# KiCad board oresat-live-card.kicad_pcb (continued)
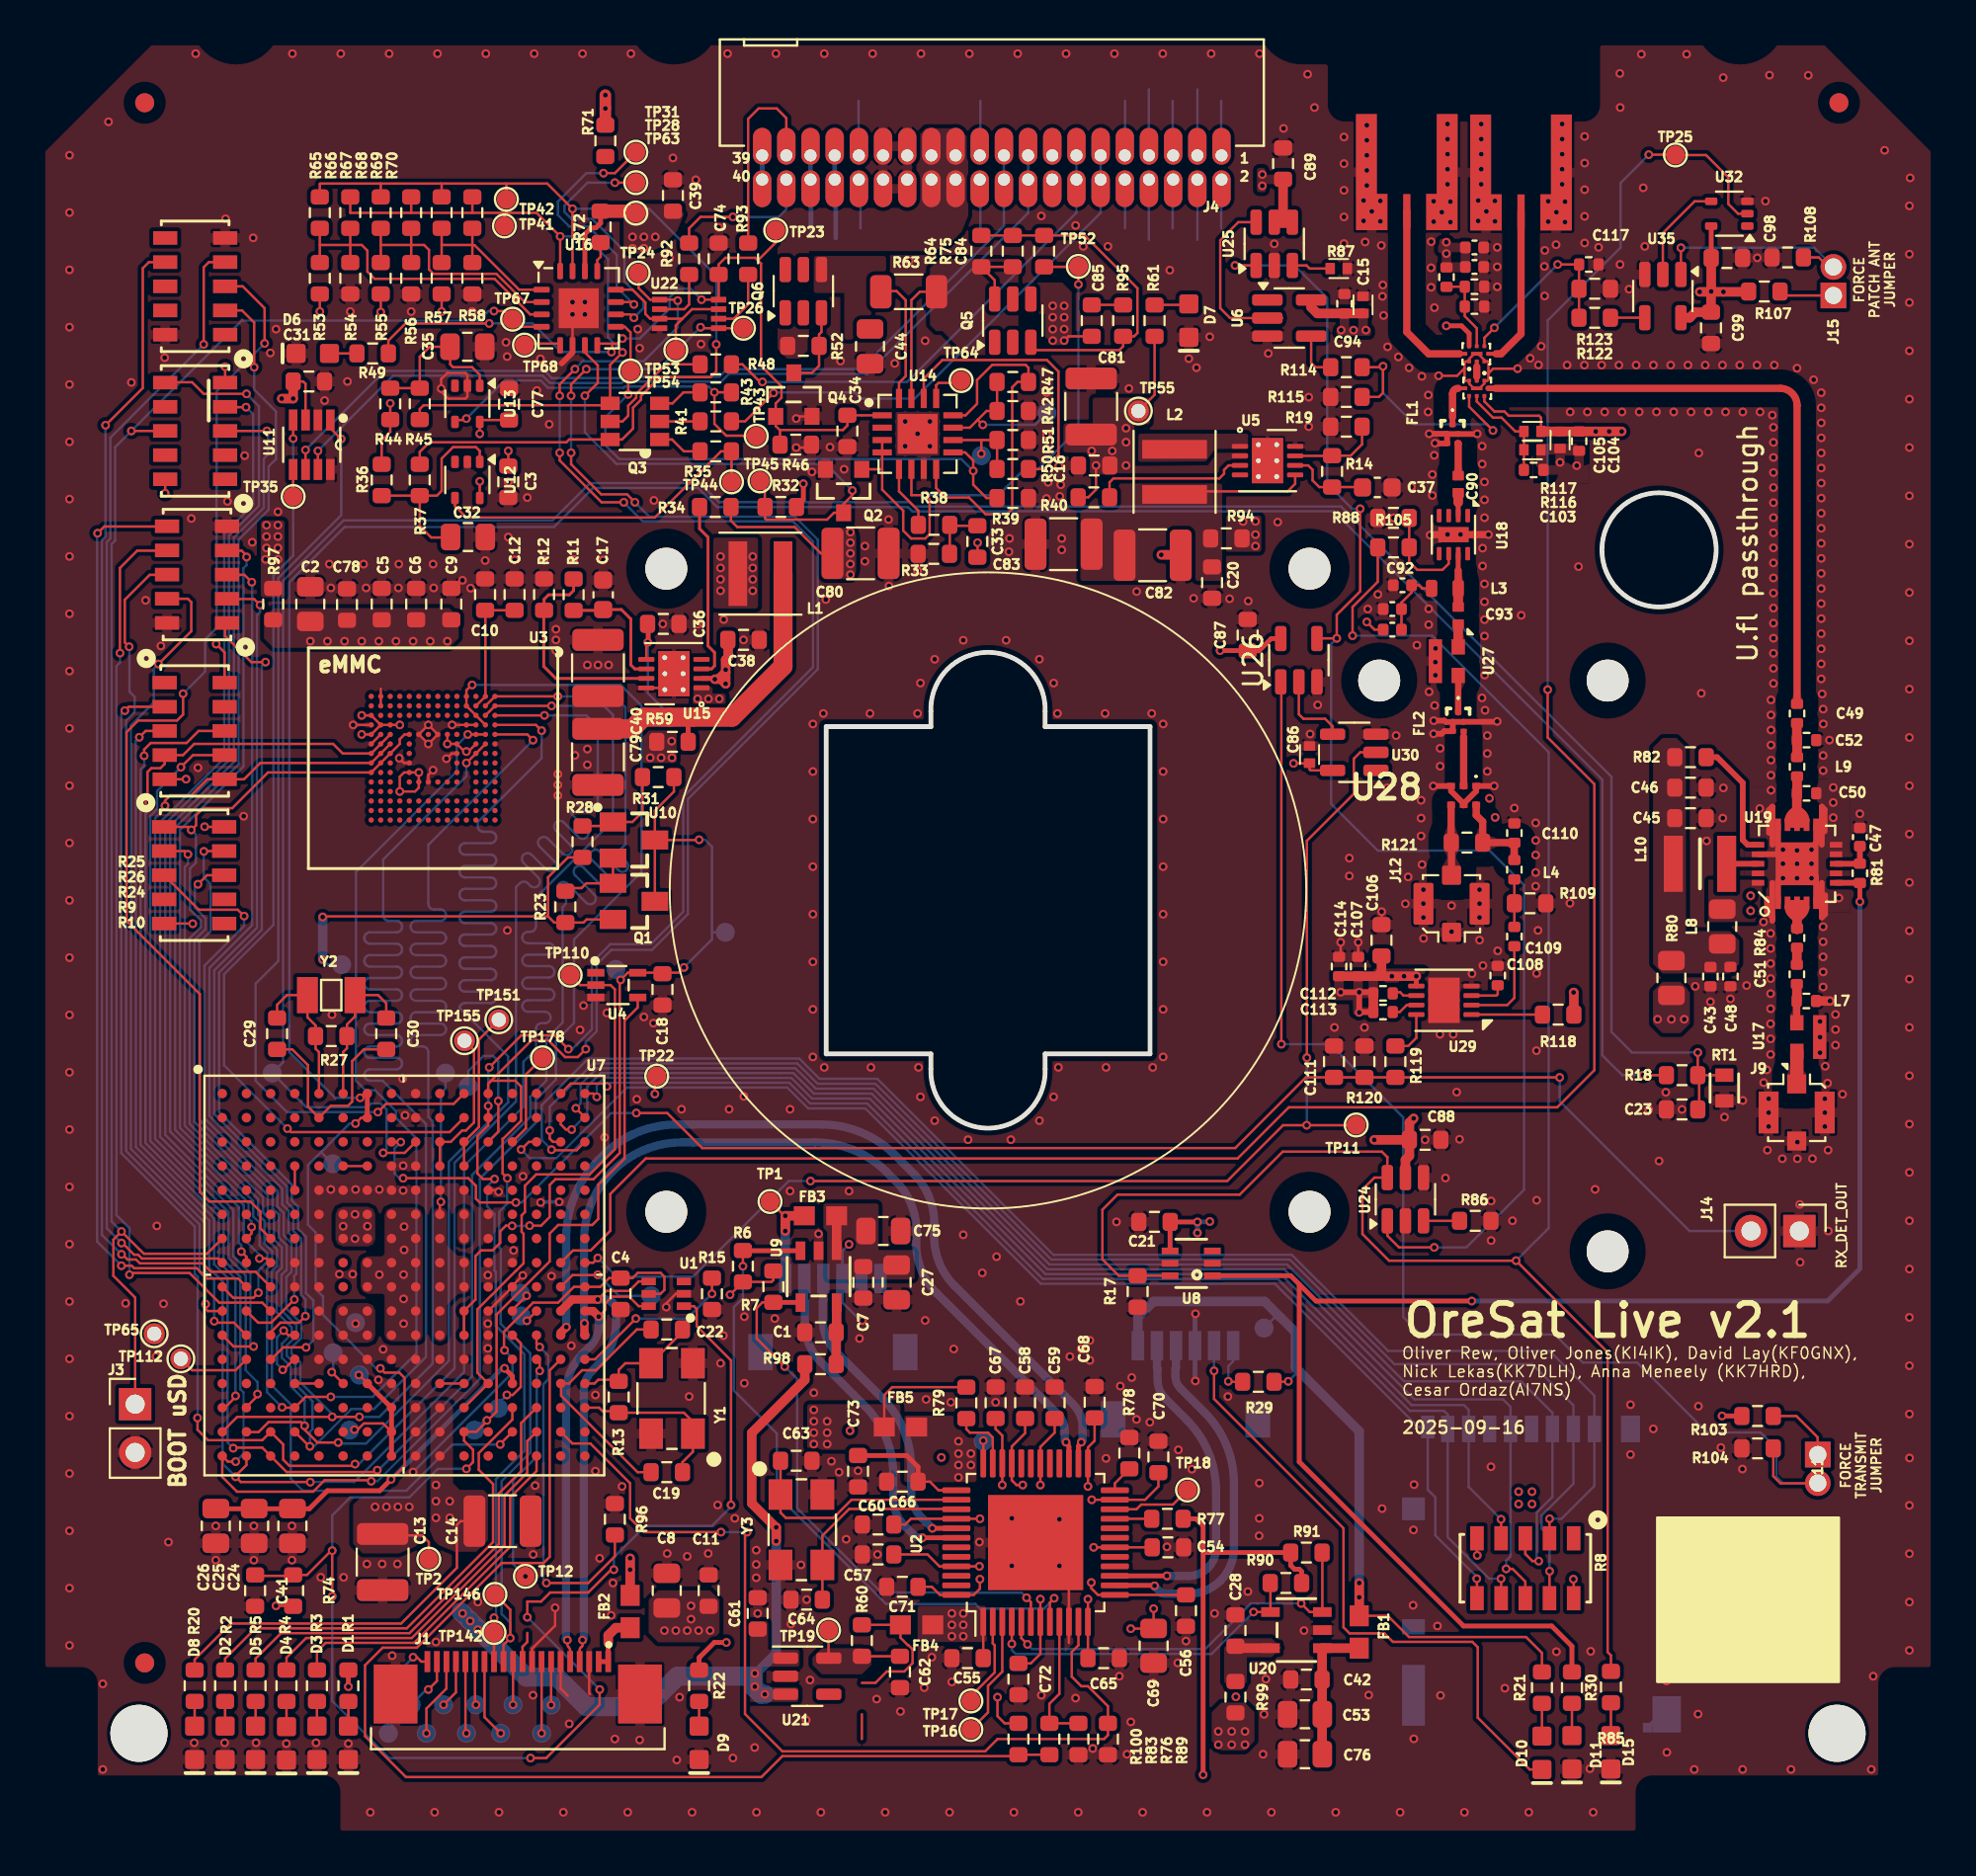
[diagram p0: board, top side]
## Placement (name value [footprint] x y rotation side) (continued)
TP144  TEST-POINT3X4  [TestPoint_Pad_D1.0mm]  24.18 22.58 180 bottom
TP146  TEST-POINT3X4  [TestPoint_Pad_D1.0mm]  24 12.8 0 top
TP151  TEST-POINT  [TestPoint-0.75mm-th]  24.2 43 0 top
TP155  TEST-POINT  [TestPoint-0.75mm-th]  22.4 41.9 0 top
TP164  TEST-POINT3X4  [TestPoint_Pad_D1.0mm]  30.35 45.65 180 bottom
TP165  TEST-POINT3X4  [TestPoint_Pad_D1.0mm]  15.95 45.9 180 bottom
TP177  TEST-POINT3X4  [TestPoint_Pad_D1.0mm]  22.6 39.5 180 bottom
TP178  TEST-POINT3X4  [TestPoint_Pad_D1.0mm]  26.5 41 0 top
U1  RCLAMP0504FB  [SC70-6]  33 28.6 90 top
U2  TUSB4020BI  [TQFP-48-1EP_7x7mm_P0.5mm_EP5x5mm]  52.4 15.52 90 top
U3  THGBMJG7C2LBAU8  [BGA-153(11.5X13)(EMMC-BA)]  20.75 56.75 270 top
U4  SN74AUC1G07  [C70(TI-DCK)]  30.4 44.82 90 top
U5  LTC3624-5  [DFN-8-1EP_3x3mm_P0.5mm_EP1.65x2.38mm_ThermalVias0.3mm]  64.59 72.39 0 top
U6  NC7SVU04P5X  [SC-74A-5_1.55x2.9mm_P0.95mm]  65.72 79.88 0 top
U7  OSD3358-512M-BSM  [U-Octavo-OSD335X-BGA-256]  19.2 29.6 270 top
U8  MIC94070YC6-TR  [SC-70-6_MCH]  60.57 30.2 180 top
U9  TPS2041BQDBVRQ1  [DBV5]  41 29.5 270 top
U10  TLVH431  [SOT23-3]  31.3 52.45 270 top
U11  TCAN330G  [SOT23-8_TI-DCN]  14.38 73.22 180 top
U12  MIC842LYC5  [SOT-353_SC-70-5]  22.55 71.37 270 top
U13  MIC842LYC5  [SOT-353_SC-70-5]  22.55 75.37 270 top
U14  MAX4211  [QFN65P400X400X80-17T210]  46.2 73.8 0 top
U15  LTC3624-5  [DFN-8-1EP_3x3mm_P0.5mm_EP1.65x2.38mm_ThermalVias0.3mm]  33.4 61.19 180 top
U16  MAX7310  [QFN-16-1EP_4x4mm_P0.65mm_EP2.1x2.1mm]  28.4 80.4 0 top
U17  PAT1220-C-3DB  [RF_Attenuator_Susumu_PAT1220]  92.99 42.09 90 top
U18  TQP3M9037  [DFN-8-1EP_2x2mm_P0.5mm_EP0.8x1.6mm]  74.35 68.5 270 top
U19  TQP9111  [QFN50P400X400X102-21N]  92.4 51.2 90 top
U20  TPS2041BQDBVRQ1  [DBV5]  66.1 10.92 180 top
U21  TLV73311  [SOT-23-5]  40.4 8.5 0 top
U22  TS5A21366  [VSSOP-8_2.3x2mm_P0.5mm]  34.2 80.1 0 top
U24  LTC6994-1  [TSOT-23-6]  71.83 33.57 90 top
U25  LTC6994-1  [TSOT-23-6]  64.94 83.78 90 top
U26  SN74LVC1G32QDBVRQ1  [SOT-23-5]  66.23 61.9 90 top
U27  PAT1220-C-3DB  [RF_Attenuator_Susumu_PAT1220]  74 61.85 270 top
U28  -  [PD2328J5050S2HF]  74.89 54.79 0 top
U29  LTC5538  [DFN-8-1EP_3x3mm_P0.5mm_EP1.65x2.38mm]  73.85 44.02 180 top
U30  SN74LV1T34  [SOT-23-5]  69.14 57.06 180 top
U32  SN74LV1T34  [SOT-353_SC-70-5]  88.84 85.37 180 top
U34  -  [QPC1022]  75.57 76.19 270 top
U35  SN74LVC1G32QDBVRQ1  [SOT-23-5]  85.35 81.04 270 top
U36  -  [QPC1022]  75.57 78 90 top
Y1  24MHz  [5X3.2-4SMD]  33.3 23.1 90 top
Y2  32.768KHZ  [CRYSTAL_3.2X1.5]  15.4 44.3 0 top
Y3  24MHz  [5X3.2-4SMD]  40.1 16.2 270 top

## Library data of the parts
C1 C3 C4 C7 C11 C18 C21 C23 C28 C31 C39 C42 C43 C45-C47 C54-C60 C65-C68 C70-C72 C74 C77 C86-C89 C98 C99 = -: Description: CAP CER 0.1UF 25V X7R 0603; MPN: CGA3E2X7R1E104K080AA; DPN: 445-5667-1-ND; MFR: TDK Corporation; DIS: DigiKey; ki_fp_filters: C_*
C2 C8 C27 C44 C53 C69 C75 C76 = -: Description: CAP CER 10UF 16V X7S 0805; MPN: CGA4J1X7S1C106M125AC; DPN: 445-16111-1-ND; MFR: TDK Corporation; DIS: DigiKey; ki_fp_filters: C_*
C5 C6 C9 C10 C12 C33 C34 C61 C62 C73 C78 C84 C85 C92 = -: Description: CAP CER 1UF 16V X7R 0603; MPN: CGA3E1X7R1C105K080AC; DPN: 445-12539-1-ND; MFR: TDK Corporation; DIS: DigiKey; ki_fp_filters: C_*
C13 C14 = -: Description: CAP CER 22UF 16V X7R 1210; MPN: CGA6P1X7R1C226M250AC; DPN: 445-5723-1-ND; MFR: TDK Corporation; DIS: DigiKey; ki_fp_filters: C_*
C15 C41 C105 C106 C111-C113 C118 = -: Description: CAP CER 0.1UF 25V X7R 0603; DPN: 445-5667-1-ND; MFR: TDK Corporation; MPN: CGA3E2X7R1E104K080AA; DIS: DigiKey; ki_fp_filters: C_*
C16 C20 C36 C38 = -: Description: CAP CER 0.1UF 25V X7R 0603; MFR: TDK Corporation; MPN: CGA3E2X7R1E104K080AA; DPN: 445-5667-1-ND; DIS: DigiKey; ki_fp_filters: C_*
C17 C37 = -: Description: CAP CER 2.2UF 16V X7R 0603; DPN: 490-GRM188Z71C225ME43JCT-ND; MFR: Murata Electronics; MPN: GRM188Z71C225ME43J; DIS: DigiKey; ki_fp_filters: C_*
C19 C22 C29 C30 C63 C64 = -: Description: CAP CER 12PF 50V C0G 0603; MPN: CGA3E2C0G1H120J080AA; DPN: 445-5629-1-ND; MFR: TDK Corporation; DIS: DigiKey; ki_fp_filters: C_*
C24 C25 = -: Description: CAP CER 1000PF 100V X7R 0805; MPN: CGA4F2X7R2A102K085AE; DPN: 445-173649-1-ND; MFR: TDK Corporation; DIS: DigiKey; ki_fp_filters: C_*
C26 = -: Description: CAP CER 0.1UF 50V X7R 0805; MPN: CGA4J2X7R1H104K125AE; DPN: 445-15959-1-ND; MFR: TDK Corporation; DIS: DigiKey; ki_fp_filters: C_*
C32 C35 = -: Description: CAP CER 1UF 16V X7R 0805; MPN: CGA4J2X7R1C105K125AA; DPN: 445-5689-1-ND; MFR: TDK Corporation; DIS: DigiKey; ki_fp_filters: C_*
C40 C79-C83 = -: Description: CAP CER 22UF 16V X7R 1210; MFR: TDK Corporation; MPN: CGA6P1X7R1C226M250AC; DPN: 445-5723-1-ND; DIS: DigiKey; ki_fp_filters: C_*
C48 = -: Description: CAP CER 1000PF 50V NP0 0402; MPN: CGA2B2NP01H102J050BA; DPN: 445-12118-1-ND; MFR: TDK Corporation; DIS: DigiKey; ki_fp_filters: C_*
C49 C117 = -: Description: CAP CER 100PF 50V C0G/NP0 0402; MPN: GCM1555C1H101GA16D; DPN: 490-GCM1555C1H101GA16DCT-ND; MFR: Murata Electronics; DIS: DigiKey; ki_fp_filters: C_*
C50 = -: Description: CAP CER 3PF 50V NP0 0402; MPN: 04025U3R0BAT2A; DPN: 581-04025U3R0BAT2A; MFR: KYOCERA AVX; ki_fp_filters: C_*
C51 = -: Description: CAP 50V 1.4pF .02pFTol ThinFilm 0402; MPN: 04025J1R1PBSTR\500; DPN: 581-04025J1R4PBSTR5; MFR: KYOCERA AVX; ki_fp_filters: C_*
C52 = -: Description: CAP CER 1.6PF 50V NP0 0402; MPN: 04025U1R6BAT2A; DPN: 581-04025U1R6BAT2A; MFR: KYOCERA AVX; ki_fp_filters: C_*
C90 C91 C93 = -: Description: CAP CER 15PF 50V C0G/NP0 0402; MPN: GJM1555C1H150JB01D; MFR: Murata Electronics; DPN: 490-3117-1-ND; DIS: DigiKey; ki_fp_filters: C_*
C94 C103 C104 C107 C114-C116 = -: Description: CAP CER 100PF 50V C0G/NP0 0402; DPN: 490-GCM1555C1H101GA16DCT-ND; MFR: Murata Electronics; MPN: GCM1555C1H101GA16D; DIS: DigiKey; ki_fp_filters: C_*
C108 C109 = -: Description: CAP CER 1000PF 50V NP0 0402; DPN: 445-12118-1-ND; MFR: TDK Corporation; MPN: CGA2B2NP01H102J050BA; DIS: DigiKey; ki_fp_filters: C_*
C110 = -: Description: CAP CER 1PF 50V C0G/NP0 0402; DPN: 490-17745-1-ND; MFR: Murata Electronics; MPN: GCM1555C1H1R0CA16J; DIS: DigiKey; ki_fp_filters: C_*
D1 D6-D11 D15 = -: Description: Green 525nm LED 3.2V 0603; MPN: 150060GS75020; DPN: 732-150060GS75020CT-ND; MFR: Würth Elektronik; Sim.Pins: 1=K 2=A; DIS: DigiKey; ki_fp_filters: LED* LED_SMD:* LED_THT:*
D2-D5 = -: Description: Blue 470nm LED 3.2V 0603; MPN: 150060BS75020; DPN: 732-150060BS75020CT-ND; MFR: Würth Elektronik; Sim.Pins: 1=K 2=A; DIS: DigiKey; ki_fp_filters: LED* LED_SMD:* LED_THT:*
FB1-FB3 = -: Description: FERRITE BEAD 30 OHM 0603 1 LN; MPN: BLM18KG300JH1D; DPN: 490-13263-1-ND; MFR: Murata Electronics; DIS: DigiKey; ki_fp_filters: Inductor_* L_* *Ferrite*
FB4 FB5 = -: Description: FERRITE BEAD 220 OHM 0603 1LN; DPN: 445-MMZ1608Y221BTD25CT-ND; MFR: TDK Corporation; DIS: DigiKey; ki_fp_filters: Inductor_* L_* *Ferrite*
FID1-FID6 = -: Description: Fiducial Marker; ki_fp_filters: Fiducial*
FL1 FL2 = -: Datasheet: https://www.qorvo.com/products/d/da006450; Description: 2.4GHZ WI-FI LTE COEXBOOST BAW F; MFR: Qorvo; DPN: 2312-QPQ1907SRCT-ND; DIS: DigiKey
J1 = -: Datasheet: https://www.te.com/usa-en/product-2-1734592-0.datasheet.pdf; Description: CONN FPC BOTTOM 20POS 0.50MM R/A; MPN: 2-1734592-0; DPN: A100287CT-ND; MFR: TE Connectivity AMP Connectors; DIS: DigiKey
J2 J10 = -: Description: CONN HEADER SMD R/A 6POS 1MM; MPN: SM06B-SRSS-TB(LF)(SN); DPN: 306-M06BSRSSTBLFSNPP; MFR: JST Commercial
J3 J14 = -: Description: Generic connector, single row, 01x02, script generated (kicad-library-utils/schlib/autogen/connector/); ki_fp_filters: Connector*:*_1x??_*
J4 = -: Datasheet: https://suddendocs.samtec.com/catalog_english/tfm.pdf; Description: CONN HEADER R/A 40POS 1.27MM; DPN: SAM10145-ND; MFR: Samtec Inc.; DIS: DigiKey
J6 J8 = -: Datasheet: https://tools.molex.com/pdm_docs/sd/733000020_sd.pdf; Description: CONN SMPM PLUG STR 50OHM EDGEMNT; MPN: 0733000020; DPN: WM10772-ND; MFR: MOLEX; DIS: DigiKey
J7 = -: Description: CONN MICRO SD CARD R/A SMD; DPN: HR1942CT-ND; MFR: Hirose Electric Co Ltd; DIS: DigiKey
J9 J12 = -: Description: CONN U.FL RCPT STR 50 OHM SMD; DPN: H11891CT-ND; MFR: Hirose Electric Co Ltd; MPN: U.FL-R-SMT-1(10); DIS: DigiKey; ki_fp_filters: *BNC* *SMA* *SMB* *SMC* *Cinch* *LEMO* *UMRF* *MCX* *U.FL*
J11 J15 = -: ki_fp_filters: Jumper* TestPoint*2Pads* TestPoint*Bridge*
L1 L2 = -: Description: FIXED IND 3.3UH 6.6A 34MOHM SMD; MFR: Coilcraft; MPN: XGL4020-332MEC; DPN: 2457-XGL4020-332MEC-ND; DIS: DigiKey; ki_fp_filters: Choke_* *Coil* Inductor_* L_*
L3 = -: Datasheet: https://www.coilcraft.com/getmedia/f3d98f97-cbe2-41fa-b3a9-518f674e881e/0603dc.pdf; Description: FIXED IND 18NH 2A 78 MOHM SMD; MPN: 0603DC-18NXJRW; MFR: Coilcraft; DPN: 994-0603DC-18NXJRW; ki_fp_filters: Choke_* *Coil* Inductor_* L_*
L4 = -: Description: FIXED IND 1.5NH 1A 30 MOHM SMD; DPN: 2035-1382-1-ND; MFR: Delta Electronics/Components; MPN: 0402HM-1N5EKTS; DIS: DigiKey; ki_fp_filters: Choke_* *Coil* Inductor_* L_*
L7 = -: Description: 1.7nH RF Inductor, ceramic core, 5% tol; MPN: 0402DC-1N7XJRU; DPN: 994-0402DC-1N7XJRW; MFR: Coilcraft; ki_fp_filters: Choke_* *Coil* Inductor_* L_*
L8 = -: Description: Fixed Inductors 0805CS 6.8 nH 5 % 0.6 A; MPN: 0805CS-060XJLC; DPN: 994-0805CS-060XJLC; MFR: Coilcraft; ki_fp_filters: Choke_* *Coil* Inductor_* L_*
L9 = -: Description: FIXED IND 1NH 500MA 100 MOHM SMD; MPN: MLK1005S1N0ST000; DPN: 445-MLK1005S1N0ST000CT-ND; MFR: TDK Corporation; DIS: DigiKey; ki_fp_filters: Choke_* *Coil* Inductor_* L_*
L10 = -: Description: Fixed Inductors 1008 10nH Unshld 5%; MPN: 1008HQ-10NXJLC; DPN: 1008HQ-10NXJLC; MFR: Coilcraft; DIS: DigiKey; ki_fp_filters: Choke_* *Coil* Inductor_* L_*
PCB1 = -: Datasheet: N/A; Description: N/A; DIS: N/A; DPN: N/A; MFR: N/A; MPN: N/A
PCBA1 = -: Datasheet: N/A; Description: AR9271 USB to WiFi daughter board; DIS: N/A; DPN: N/A; MFR: Unknown; MPN: Unknown
Q1 = -: Description: TRANS PNP 60V 0.6A SOT23-3; MPN: PMBT2907A,215; DPN: 1727-2958-1-ND; MFR: Nexperia USA Inc.; DIS: DigiKey
Q2 Q4 = -: Description: MOSFET N-CH 30V 4.1A TO236AB; DPN: 1727-2307-1-ND; MFR: Nexperia USA Inc.; DIS: DigiKey
Q3 = -: Description: MOSFET 2P-CH 20V 2A SOT-26; DPN: DMP2240UDMDICT-ND; MFR: Diodes Incorporated; DIS: DigiKey
Q5 Q6 = -: Datasheet: https://www.diodes.com/assets/Datasheets/DMP3050LVT.pdf; Description: P-Channel Power MOSFET, TSOT-23-6; DPN: DMP3050LVT-7DICT-ND; MFR: Diodes Incorporated; DIS: DigiKey; ki_fp_filters: Diodes*PowerDI3333*
R1-R5 R20 R22 R29 R30 R49 R51 R85 = -: Description: RES SMD 4.7K OHM 1% 1/10W 0603; MPN: ERJ-3EKF4701V; DPN: ERJ-3EKF4701V; MFR: Panasonic; DIS: DigiKey
R6 R7 R15 R17 R18 R21 R28 R32 R34 R38-R40 R46 R52 R61 R64 R72 R75-R77 R79 R89-R91 = -: Description: RES SMD 10K OHM 1% 1/10W 0603; MPN: ERJ-3EKF1002V; DPN: P10.0KHCT-ND; MFR: Panasonic; DIS: DigiKey
R8-R10 = -: Description: RES ARRAY 8 RES 10K OHM 2512; MPN: EXB-A10P103J; DPN: U7103CT-ND; MFR: Panasonic; DIS: DigiKey
R11 R12 R14 R19 = -: Description: RES SMD 100K OHM 1% 1/10W 0603; DPN: P100KHCT-ND; MFR: Panasonic; MPN: ERJ-3EKF1003V; DIS: DigiKey; ki_fp_filters: R_*
R13 R36 R44 = -: Description: RES SMD 1M OHM 1% 1/10W 0603; MPN: ERJ-3EKF1004V; DPN: P1.00MHCT-ND; MFR: Panasonic; DIS: DigiKey
R23 = -: Description: RES SMD 499 OHM 1% 1/10W 0603; MPN: ERJ-3EKF4990V; DPN: P499HCT-ND; MFR: Panasonic; DIS: DigiKey
R24-R26 = -: Description: RES ARRAY 8 RES 100K OHM 2512; MPN: EXB-A10P104J; DPN: U7104CT-ND; MFR: Panasonic; DIS: DigiKey
R31 = -: Description: RES SMD 40.2K OHM 1% 1/10W 0603; MPN: ERJ-3EKF4022V; DPN: P40.2KHCT-ND; MFR: Panasonic; DIS: DigiKey
R33 = -: Description: RES SMD 100K OHM 1% 1/10W 0603; MPN: ERJ-3EKF1003V; DPN: P100KHCT-ND; MFR: Panasonic; DIS: DigiKey
R35 R43 = -: Description: RES SMD 665K OHM 1% 1/10W 0603; MPN: ERJ-3EKF6653V; DPN: P665KHCT-ND; MFR: Panasonic; DIS: DigiKey
R37 R45 = -: Description: RES SMD 330K OHM 1% 1/10W 0603; MPN: ERJ-3EKF3303V; DPN: P330KHCT-ND; MFR: Panasonic; DIS: DigiKey
R41 R48 R71 R92 R93 = -: Description: RES SMD 100 OHM 1% 1/10W 0603; MPN: ERJ-3EKF1000V; DPN: P100HCT-ND; MFR: Panasonic; DIS: DigiKey
R42 = -: Description: RES SMD 10K OHM 1% 1/10W 0603; DPN: P10.0KHCT-ND; MFR: Panasonic; MPN: ERJ-3EKF1002V; DIS: DigiKey
R47 R50 R59 R60 R94 R96-R100 = -: Description: RES SMD 0 OHM JUMPER 1/10W 0603; MPN: ERJ-3GEY0R00V; DPN: P0.0GCT-ND; MFR: Panasonic; DIS: DigiKey
R53 R56 R58 R65-R70 = -: Description: RES SMD 10K OHM 1% 1/10W 0603; DPN: P10.0KHCT-ND; MFR: Panasonic; MPN: ERJ-3EKF1002V
R54 R55 R57 R95 = -: Description: RES SMD 1K OHM 1% 1/10W 0603; MPN: ERJ-3EKF1001V; DPN: P1.00KHCT-ND; MFR: Panasonic; DIS: DigiKey
R63 = -: Description: RES 0.1 OHM 1% 1/2W 1206; MPN: RCWE1206R100FKEA; DPN: 541-2740-1-ND; MFR: Vishay Dale; DIS: DigiKey
R74 R104 R108 R114 R117 R122 R125 = -: Description: RES SMD 10K OHM 1% 1/10W 0603; DPN: P10.0KHCT-ND; MFR: Panasonic; MPN: ERJ-3EKF1002V; DIS: DigiKey; ki_fp_filters: R_*
R78 = -: Description: RES 9.53K OHM 1% 1/10W 0603; MPN: ERJ-3EKF9531V; DPN: P9.53KHCT-ND; MFR: Panasonic; DIS: DigiKey
R80 = -: Description: RES SMD 0 OHM JUMPER 1/8W 0805; MPN: ERJ-6GEY0R00V; DPN: P0.0ACT-ND; MFR: Panasonic; DIS: DigiKey
R81 = -: Description: RES SMD 110 OHM 1% 1/10W 0402; MPN: ERJ-2RKF1100X; DPN: P110LCT-ND; MFR: Panasonic; DIS: DigiKey
R82 = -: Description: RES SMD 220 OHM 1% 1/10W 0603; MPN: ERJ-3EKF2200V; DPN: P220HCT-ND; MFR: Panasonic; DIS: DigiKey
R83 = -: Description: RES SMD 90.9K OHM 1% 1/10W 0603; MPN: ERJ-3EKF9092V; DPN: P90.9KHCT-ND; MFR: Panasonic; DIS: DigiKey
R84 = -: Description: RES SMD 3.3 OHM 1% 1/16W 0402; MPN: CRCW04023R30FKED; DPN: 541-3.30LLCT-ND; MFR: Vishay Dale; DIS: DigiKey
R86 = -: Description: RES 499K OHM 1% 1/10W 0603; MPN: ERJ-U03F4993V; DPN: 10-ERJ-U03F4993VCT-ND; MFR: Panasonic; DIS: DigiKey; ki_fp_filters: R_*
R87 = -: Description: RES 499K OHM 1% 1/10W 0603; DPN: 10-ERJ-U03F4993VCT-ND; MFR: Panasonic; MPN: ERJ-U03F4993V; DIS: DigiKey; ki_fp_filters: R_*
R88 = -: Description: RES SMD 10K OHM 1% 1/10W 0603; MPN: ERJ-3EKF1002V; DPN: P10.0KHCT-ND; MFR: Panasonic; DIS: DigiKey; ki_fp_filters: R_*
R103 R107 = -: Description: RES SMD 1K OHM 1% 1/10W 0603; DPN: P1.00KHCT-ND; MFR: Panasonic; MPN: ERJ-3EKF1001V; DIS: DigiKey; ki_fp_filters: R_*
R105 = -: Description: RES 33K OHM 1% 1/10W 0603; DPN: 10-ERJ-U03F3302VCT-ND; MFR: Panasonic; MPN: ERJ-U03F3302V; DIS: DigiKey; ki_fp_filters: R_*
R106 = -: Description: RES SMD 0 OHM JUMPER 1/10W 0603; DPN: P0.0GCT-ND; MFR: Panasonic; MPN: ERJ-3GEY0R00V; DIS: DigiKey; ki_fp_filters: R_*
R109 R121 = -: Description: RES SMD 100 OHM 1% 1/10W 0603; DPN: P100HCT-ND; MFR: Panasonic; MPN: ERJ-3EKF1000V; DIS: DigiKey; ki_fp_filters: R_*
R115 R116 R123 R124 = -: Description: RES SMD 5.62K OHM 1% 1/10W 0603; DPN: P5.62KHCT-ND; MFR: Panasonic; MPN: ERJ-3EKF5621V; DIS: DigiKey; ki_fp_filters: R_*
R118-R120 = -: Description: RES SMD 4.99K OHM 1% 1/10W 0603; DPN: P4.99KHCT-ND; MFR: Panasonic; MPN: ERJ-3EKF4991V; DIS: DigiKey; ki_fp_filters: R_*
RT1 = -: Description: THERMISTOR NTC 10KOHM 3380K 0603; MPN: NTCG163JX103DT1S; DPN: 445-174518-1-ND; MFR: TDK Corporation; DIS: DigiKey
U1 = -: Description: TVS DIODE 5V 17.5V SC70-6; MPN: RCLAMP0504FBTCT; DPN: RCLAMP0504FBTCTCT-ND; MFR: Semtech Corporation; DIS: DigiKey
U2 = -: Datasheet: https://www.ti.com/lit/ds/symlink/tusb4020bi.pdf?ts=1651536480134&ref_url=https%253A%252F%252Fwww.ti.com%252Fproduct%252FTUSB4020BI%253Futm_source%253Dgoogle%2526utm_medium%253Dcpc%2526utm_campaign%253Dasc-null-null-GPN_EN-cpc-pf-google-wwe%2526utm_content%253DTUSB4020BI%2526ds_k%253DTUSB4020BI%2526DCM%253Dyes%2526gclid%253DCjwKCAjwgr6TBhAGEiwA3aVuIRrJ5Jxk1ulO0jlDlG7RAaJmL9xFy9DEi5z9qbcQBDs3N7BwRoJLbRoCdxsQAvD_BwE%2526gclsrc%253Daw.ds; Description: IC USB 2.0 2PORT HUB IND 48HTQFP; DPN: 296-43165-1-ND; MFR: Texas Instruments; DIS: DigiKey
U3 = -: Datasheet: https://www.mouser.com/datasheet/3/3711/1/KIOXIA_e-MMC_Product_Brief.pdf; Description: IC FLASH 16GB EMMC 153FBGA; DPN: 757-THGBMJG7C2LBAU8; MFR: Kioxia
U4 = -: Description: IC BUFF NON-INVERT 2.7V SC-70-5; MPN: SN74AUC1G07DCKR; DPN: 296-12464-1-ND; MFR: Texas Instruments; DIS: DigiKey
U5 U15 = -: Datasheet: https://www.analog.com/media/en/technical-documentation/data-sheets/36242fd.pdf; Description: IC REG BUCK 5V 2A 8DFN; MPN: LTC3624IDD-5#PBF; DPN: LTC3624IDD-5#PBF-ND; MFR: Analog Devices; DIS: DigiKey
U6 = -: Datasheet: https://www.onsemi.com/pdf/datasheet/nc7s04-d.pdf; Description: High-Speed Logic Inverter, SC−74A; ki_fp_filters: SOT*353*SC*70*
U7 = -: Description: OSD335x Embedded Module 1GHz 512MB; DPN: 1676-1002-ND; MFR: Octavo Systems; DIS: DigiKey
U8 = -: Datasheet: https://ww1.microchip.com/downloads/en/DeviceDoc/mic9409x.pdf; Description: IC PWR SWITCH P-CHAN 1:1 SC70-6; DPN: 576-3006-1-ND; MFR: Microchip Technology; DIS: DigiKey
U9 U20 = -: Datasheet: https://www.ti.com/lit/ds/symlink/tps2041b-q1.pdf?HQS=dis-dk-null-digikeymode-dsf-pf-null-wwe&ts=1651525711603&ref_url=https%253A%252F%252Fwww.ti.com%252Fgeneral%252Fdocs%252Fsuppproductinfo.tsp%253FdistId%253D10%2526gotoUrl%253Dhttps%253A%252F%252Fwww.ti.com%252Flit%252Fgpn%252Ftps2041b-q1; Description: Power Switch/Driver 1:1 N-Channel 500mA; DPN: 296-25159-1-ND; MFR: Texas Instruments; DIS: DigiKey
U10 = -: Description: IC VREF SHUNT ADJ 0.5% SOT23-3; MPN: TLVH431BQDBZRQ1; DPN: 296-36778-1-ND; MFR: Texas Instruments; DIS: DigiKey
U11 = -: Datasheet: https://www.ti.com/lit/ds/symlink/tcan330.pdf?ts=1651525305550&ref_url=https%253A%252F%252Fwww.ti.com%252Fproduct%252FTCAN330; Description: IC TRANSCEIVER 1/1 SOT238; MPN: TCAN330GDCNR; DPN: 296-TCAN330GDCNRCT-ND; MFR: Texas Instruments; DIS: DigiKey
U12 U13 = -: Datasheet: https://ww1.microchip.com/downloads/aemDocuments/documents/OTH/ProductDocuments/DataSheets/20005758A.pdf; Description: IC Single Comparator W/REF, SC-70-5
U14 = -: Datasheet: https://www.mouser.com/datasheet/2/256/maxim%20integrated%20products_max4210-max4211-1179253.pdf; Description: IC CURRENT MONITOR 1.5% 16TQFN; MPN: MAX4211FETE+; DPN: MAX4211FETE+-ND; MFR: Maxim Integrated; DIS: DigiKey
U16 = -: Datasheet: https://datasheets.maximintegrated.com/en/ds/MAX7310.pdf; Description: I2C 8-Bit GPIO Expander, 16-TQFN; MPN: MAX7310ATE+; DPN: MAX7310ATE+-ND; MFR: Maxim Integrated; DIS: DigiKey
U17 U27 = -: Datasheet: https://www.susumu.co.jp/common/pdf/n_catalog_partition16_en.pdf; Description: RF ATTENUATOR 3DB 50OHM 0805; DPN: PAT123CT-ND; MFR: Susumu; MPN: PAT1220-C-3DB-T5; DIS: DigiKey; ki_fp_filters: RF*Attenuator*Susumu*PAT1220*
U18 = -: Datasheet: https://www.qorvo.com/products/d/da005549; Description: 700-6000 MHZ LNA; MFR: Qorvo; DPN: 2312-TQP3M9037CT-ND; DIS: DigiKey
U19 = -: Datasheet: https://www.mouser.com/datasheet/2/412/QP9111-1500700.pdf; Description: 1800-2700 MHZ, 2 W HIGH GAIN AMP; DPN: 2312-TQP9111CT-ND; MFR: Qorvo; DIS: DigiKey
U21 = -: Description: IC REG LINEAR 1.1V 300MA SOT23-5; MPN: TLV73311PDBVR; DPN: 296-40663-1-ND; MFR: Texas Instruments; DIS: DigiKey
U22 = -: Description: IC SWITCH SPST-NOX2 1OHM 8VSSOP; MPN: TS5A21366DCUR; DPN: 296-24304-1-ND; MFR: Texas Instruments; DIS: DigiKey
U24 U25 = -: Datasheet: https://www.analog.com/media/en/technical-documentation/data-sheets/699412fb.pdf; Description: TimerBlox Delay Block; DPN: 584-C6994IS6-1TRPBF; MFR: Analog Devices; MPN: LTC6994IS6-1#TRPBF; ki_fp_filters: TSOT*23*
U26 = -: Datasheet: https://www.ti.com/lit/ds/symlink/sn74lvc1g32-q1.pdf?ts=1758047055703&ref_url=https%253A%252F%252Fwww.ti.com%252Fproduct-category%252Flogic-voltage-translation%252Flogic-gates%252For-gates%252Fproducts.html; ki_fp_filters: SOT* SG-*
U28 = -: Datasheet: https://cdn.ttm.com/repository/products/wireless-xinger/power-dividers/PD2328J5050S2HF/PD2328J5050S2HF.pdf; Description: Power Divider 50ohm 2300 - 2800 MHz; MFR: ANAREN; DPN: 1173-1098-1-ND; DIS: DigiKey
U29 = -: Datasheet: https://www.analog.com/media/en/technical-documentation/data-sheets/5538f.pdf; Description: IC RF DETECT 40MHZ-3.8GHZ 8DFN; DPN: LT5538IDD#TRPBFCT-ND; MFR: Analog Devices; MPN: LT5538IDD#TRPBF; DIS: DigiKey
U30 = -: Datasheet: https://www.ti.com/lit/ds/symlink/sn74lv1t34.pdf; Description: IC BUFF NON-INVERT 5.5V SC-70-5; DPN: 296-SN74LV1T34QDCKRQ1CT-ND; MFR: Texas Instruments; MPN: SN74LV1T34QDCKRQ1; DIS: DigiKey; ki_fp_filters: TO?5*
U32 = -: Datasheet: https://www.ti.com/lit/ds/symlink/sn74lv1t34.pdf; Description: IC BUFF NON-INVERT 5.5V SC-70-5; DPN: 296-SN74LV1T34QDCKRQ1CT-ND; MFR: Texas Instruments; MPN: SN74LV1T34QDCKRQ1; DIS: DigiKey; ki_fp_filters: SOT?353*
U34 U36 = -: Datasheet: https://www.qorvo.com/products/d/da005900; Description: 5-6000 MHZ LOW DISTORTION SPDT S; DPN: 2312-QPC1022TR7CT-ND; MFR: Qorvo; MPN: QPC1022TR7; DIS: DigiKey
U35 = -: Datasheet: https://www.ti.com/lit/ds/symlink/sn74lvc1g32-q1.pdf?HQS=dis-dk-null-digikeymode-dsf-pf-null-wwe&ts=1754257044481&ref_url=https%253A%252F%252Fwww.ti.com%252Fgeneral%252Fdocs%252Fsuppproductinfo.tsp%253FdistId%253D10%2526gotoUrl%253Dhttps%253A%252F%252Fwww.ti.com%252Flit%252Fgpn%252Fsn74lvc1g32-q1
Y1 Y3 = -: Description: CRYSTAL 24.0000MHZ 12PF SMD; MPN: ECS-240-20ECS-240-12-30BQ-AEN-TR -30B-TR; DPN: XC2580CT-ND; MFR: ECS Inc.; DIS: DigiKey; ki_fp_filters: Crystal*
Y2 = -: Description: CRYSTAL 32.7680KHZ 12.5PF SMD; MPN: ABS07-32.768KHZ-T; DPN: 535-9542-1-ND; MFR: Abracon LLC; DIS: DigiKey; ki_fp_filters: Crystal*

## Footprints (pads in the part's own frame, mm; a bottom-side part is the same pattern mirrored in y, then rotated)
2X1
  rect 1.35x1.35 hole 0.9: 1(-0.8,0)
  round 1.35 hole 0.9: 2(0.7,0)
5X3.2-4SMD
  rect 1.6x1.25 smd: 1(-1.85,-1.1) 2(1.85,-1.1) 3(1.85,1.1) 4(-1.85,1.1)
0402-C
  rrect 0.5x0.6 smd: 1(-0.45,0) 2(0.45,0)
0402-C-NOSILK
  rrect 0.5x0.6 smd: 1(-0.45,0) 2(0.45,0)
0603
  rect 1.1x1 smd: 1(-0.85,0) 2(0.85,0)
0603-C-NOSILK
  rrect 0.6x0.9 smd: 1(-0.7,0) 2(0.7,0)
0603-THERMISTOR-B
  rect 0.7x0.95 smd: 1(-0.675,0) 2(0.675,0)
ARRAY_EXBA-M
  rect 1.27x0.711 smd: 1(-1.575,2.54) 2(-1.575,1.27) 3(-1.575,0) 4(-1.575,-1.27) 5(-1.575,-2.54) 6(1.575,-2.54) 7(1.575,-1.27) 8(1.575,0) 9(1.575,1.27) 10(1.575,2.54)
BGA-153(11.5X13)(EMMC-BA)
  rrect 0.28x0.28 smd: A1(-3.25,3.25) A2(-2.75,3.25) A3(-2.25,3.25) A4(-1.75,3.25) A5(-1.25,3.25) A6(-0.75,3.25) A7(-0.25,3.25) A8(0.25,3.25) A9(0.75,3.25) A10(1.25,3.25) A11(1.75,3.25) A12(2.25,3.25) A13(2.75,3.25) A14(3.25,3.25) B1(-3.25,2.75) B2(-2.75,2.75) B3(-2.25,2.75) B4(-1.75,2.75) B5(-1.25,2.75) B6(-0.75,2.75) B7(-0.25,2.75) B8(0.25,2.75) B9(0.75,2.75) B10(1.25,2.75) B11(1.75,2.75) B12(2.25,2.75) B13(2.75,2.75) B14(3.25,2.75) C1(-3.25,2.25) C2(-2.75,2.25) C3(-2.25,2.25) C4(-1.75,2.25) C5(-1.25,2.25) C6(-0.75,2.25) C7(-0.25,2.25) C8(0.25,2.25) C9(0.75,2.25) C10(1.25,2.25) C11(1.75,2.25) C12(2.25,2.25) C13(2.75,2.25) C14(3.25,2.25) D1(-3.25,1.75) D2(-2.75,1.75) D3(-2.25,1.75) D4(-1.75,1.75) D12(2.25,1.75) D13(2.75,1.75) D14(3.25,1.75) E1(-3.25,1.25) E2(-2.75,1.25) E3(-2.25,1.25) E5(-1.25,1.25) E6(-0.75,1.25) E7(-0.25,1.25) E8(0.25,1.25) E9(0.75,1.25) E10(1.25,1.25) E12(2.25,1.25) E13(2.75,1.25) E14(3.25,1.25) F1(-3.25,0.75) F2(-2.75,0.75) F3(-2.25,0.75) F5(-1.25,0.75) F10(1.25,0.75) F12(2.25,0.75) F13(2.75,0.75) F14(3.25,0.75) G1(-3.25,0.25) G2(-2.75,0.25) G3(-2.25,0.25) G5(-1.25,0.25) G10(1.25,0.25) G12(2.25,0.25) G13(2.75,0.25) G14(3.25,0.25) H1(-3.25,-0.25) H2(-2.75,-0.25) H3(-2.25,-0.25) H5(-1.25,-0.25) H10(1.25,-0.25) H12(2.25,-0.25) H13(2.75,-0.25) H14(3.25,-0.25) J1(-3.25,-0.75) J2(-2.75,-0.75) J3(-2.25,-0.75) J5(-1.25,-0.75) J10(1.25,-0.75) J12(2.25,-0.75) J13(2.75,-0.75) J14(3.25,-0.75) K1(-3.25,-1.25) K2(-2.75,-1.25) K3(-2.25,-1.25) K5(-1.25,-1.25) K6(-0.75,-1.25) K7(-0.25,-1.25) K8(0.25,-1.25) K9(0.75,-1.25) K10(1.25,-1.25) K12(2.25,-1.25) K13(2.75,-1.25) K14(3.25,-1.25) L1(-3.25,-1.75) L2(-2.75,-1.75) L3(-2.25,-1.75) L12(2.25,-1.75) L13(2.75,-1.75) L14(3.25,-1.75) M1(-3.25,-2.25) M2(-2.75,-2.25) M3(-2.25,-2.25) M4(-1.75,-2.25) M5(-1.25,-2.25) M6(-0.75,-2.25) M7(-0.25,-2.25) M8(0.25,-2.25) M9(0.75,-2.25) M10(1.25,-2.25) M11(1.75,-2.25) M12(2.25,-2.25) M13(2.75,-2.25) M14(3.25,-2.25) N1(-3.25,-2.75) N2(-2.75,-2.75) N3(-2.25,-2.75) N4(-1.75,-2.75) N5(-1.25,-2.75) N6(-0.75,-2.75) N7(-0.25,-2.75) N8(0.25,-2.75) N9(0.75,-2.75) N10(1.25,-2.75) N11(1.75,-2.75) N12(2.25,-2.75) N13(2.75,-2.75) N14(3.25,-2.75) P1(-3.25,-3.25) P2(-2.75,-3.25) P3(-2.25,-3.25) P4(-1.75,-3.25) P5(-1.25,-3.25) P6(-0.75,-3.25) P7(-0.25,-3.25) P8(0.25,-3.25) P9(0.75,-3.25) P10(1.25,-3.25) P11(1.75,-3.25) P12(2.25,-3.25) P13(2.75,-3.25) P14(3.25,-3.25)
C70(TI-DCK)
  rect 0.4x0.9 smd: 1(0.65,1.1) 2(0,1.1) 3(-0.65,1.1) 4(-0.65,-1.1) 5(0.65,-1.1)
C_0402_1005Metric
  rrect 0.56x0.62 smd: 1(-0.48,0) 2(0.48,0)
C_0603_1608Metric
  rrect 0.9x0.95 smd: 1(-0.775,0) 2(0.775,0)
C_1210_3225Metric
  rrect 1.15x2.7 smd: 1(-1.475,0) 2(1.475,0)
CONN_SM06B-SRSS-TB_JST
  rect 0.66x1.549 smd: 1(-2.5,2.507) 2(-1.5,2.507) 3(-0.5,2.507) 4(0.5,2.507) 5(1.5,2.507) 6(2.5,2.507)
  rect 1.295x1.905 smd: 7(-3.8,-1.368) 8(3.8,-1.368)
CRYSTAL_3.2X1.5
  rect 1.1x1.9 smd: 1(-1.25,0) 2(1.25,0)
DBV5
  rect 0.972x0.508 smd: 1(-1.362,0.95) 2(-1.362,0) 3(-1.362,-0.95) 4(1.362,-0.95) 5(1.362,0.95)
DFN-8-1EP_2x2mm_P0.5mm_EP0.8x1.6mm
  rrect 0.64x1.29 smd: (0,0)
  rrect 0.7x0.25 smd: 1(-1,0.75) 2(-1,0.25) 3(-1,-0.25) 4(-1,-0.75) 5(1,-0.75) 6(1,-0.25) 7(1,0.25) 8(1,0.75)
  rect 0.8x1.6 smd: 9(0,0)
DFN-8-1EP_3x3mm_P0.5mm_EP1.65x2.38mm
  rrect 1.33x1.92 smd: (0,0)
  rrect 0.85x0.25 smd: 1(-1.45,0.75) 2(-1.45,0.25) 3(-1.45,-0.25) 4(-1.45,-0.75) 5(1.45,-0.75) 6(1.45,-0.25) 7(1.45,0.25) 8(1.45,0.75)
  rect 1.65x2.38 smd: 9(0,0)
DFN-8-1EP_3x3mm_P0.5mm_EP1.65x2.38mm_ThermalVias0.3mm
  rrect 0.67x0.96 smd: (-0.41,0.595) (-0.41,-0.595) (0.41,0.595) (0.41,-0.595)
  rrect 0.85x0.25 smd: 1(-1.45,0.75) 2(-1.45,0.25) 3(-1.45,-0.25) 4(-1.45,-0.75) 5(1.45,-0.75) 6(1.45,-0.25) 7(1.45,0.25) 8(1.45,0.75)
  round 0.457 hole 0.254: 9(-0.48,0.84) 9(-0.48,0) 9(-0.48,-0.84) 9(0.48,0.84) 9(0.48,0) 9(0.48,-0.84)
  rect 1.65x2.38 smd: 9(0,0)
  rect 1.65x2.38 smd far side: 9(0,0)
DM3BT-DSF-PEJS
  rect 0.7x1.4 smd: 1(-3.2,15.95) 2(-2.1,15.95) 3(-1,15.95) 4(0.1,15.95) 5(1.2,15.95) 6(2.3,15.95) 7(3.4,15.95) 8(4.5,15.95)
  rect 0.7x1.2 smd: CD(5.55,16.05)
  rect 0.5x0.5 smd: CGND1(-6,0.25)
  rect 1.5x1.9 smd: CGND2(-7,0.95)
  rect 0.21x0.21 smd rot 135: CGND3(-6.25,0.5)
  rect 1x1.4 smd: CGND4(-5.1,15.95)
  rect 1.2x1.2 smd: CGND5(6.3,11.75)
  rect 1.2x3.2 smd: CGND6(6.3,1.95)
  rect 1.2x0.8 smd: GND(6.3,5.55)
Fiducial_1mm_Mask2mm
  round 1 smd: (0,0)
INDC2928X203N
  rect 1x2.95 smd: 1(-1.4,0) 2(1.4,0)
J-MOLEX-SMPM-073300-002X
  custom 1.092x4.318 smd far side: SHLD(-2.032,-1.778) SHLD(2.032,-1.778)
  custom 1.651x6.096 smd: SHLD(-1.778,-5.08) SHLD(1.778,-5.08)
  rect 0.38x1.8 smd: SIG(0,-5.1)
J-SAMTEC-TFM-120-X1-XXX-D-RA
  oval 0.965x1.93 hole 0.635: 1(12.065,0.635) 2(12.065,-0.635) 3(10.795,0.635) 4(10.795,-0.635) 5(9.525,0.635) 6(9.525,-0.635) 7(8.255,0.635) 8(8.255,-0.635) 9(6.985,0.635) 10(6.985,-0.635) 11(5.715,0.635) 12(5.715,-0.635) 13(4.445,0.635) 14(4.445,-0.635) 15(3.175,0.635) 16(3.175,-0.635) 17(1.905,0.635) 18(1.905,-0.635) 19(0.635,0.635) 20(0.635,-0.635) 21(-0.635,0.635) 22(-0.635,-0.635) 23(-1.905,0.635) 24(-1.905,-0.635) 25(-3.175,0.635) 26(-3.175,-0.635) 27(-4.445,0.635) 28(-4.445,-0.635) 29(-5.715,0.635) 30(-5.715,-0.635) 31(-6.985,0.635) 32(-6.985,-0.635) 33(-8.255,0.635) 34(-8.255,-0.635) 35(-9.525,0.635) 36(-9.525,-0.635) 37(-10.795,0.635) 38(-10.795,-0.635) 39(-12.065,0.635) 40(-12.065,-0.635)
J-TE-2-1734592-0
  rect 0.3x1.1 smd: 1(-4.75,-1.7) 2(-4.25,-1.7) 3(-3.75,-1.7) 4(-3.25,-1.7) 5(-2.75,-1.7) 6(-2.25,-1.7) 7(-1.75,-1.7) 8(-1.25,-1.7) 9(-0.75,-1.7) 10(-0.25,-1.7) 11(0.25,-1.7) 12(0.75,-1.7) 13(1.25,-1.7) 14(1.75,-1.7) 15(2.25,-1.7) 16(2.75,-1.7) 17(3.25,-1.7) 18(3.75,-1.7) 19(4.25,-1.7) 20(4.75,-1.7)
  rect 2.3x3.1 smd: PAD1(6.42,0) PAD2(-6.42,0)
L_Coilcraft_XxL4020
  rect 0.98x3.4 smd: 1(-1.185,0) 2(1.185,0)
LED-0603
  rrect 1x1 smd: 1(0.877,0) 2(-0.877,0)
MountingHole_2.2mm_M2
  round 2.2 hole 2.2 unplated: (0,0)
ORESAT-CARD-V1.3-2RF-LEFT
  round 3 hole 3 unplated: (-44.6,-44.3) (44.6,-44.3)
PD2328J5050S2HF
  rect 0.41x0.33 smd: 1(0.66,0.495) 2(0,0.495) 3(-0.66,0.495) 4(-0.66,-0.495) 5(0,-0.495) 6(0.66,-0.495)
PinHeader_1x02_P2.54mm_Vertical
  rect 1.7x1.7 hole 1: 1(0,0)
  round 1.7 hole 1: 2(0,-2.54)
PinHeader_1x02_P2.54mm_Vertical#2
  rect 1.7x1.7 hole 1: 1(0,0)
  oval 1.7x1.7 hole 1: 2(0,-2.54)
QFN50P400X400X102-21N
  rect 0.65x0.3 smd: 1(-2.05,1) 2(-2.05,0.5) 3(-2.05,0) 4(-2.05,-0.5) 5(-2.05,-1) 11(2.05,-1) 12(2.05,-0.5) 13(2.05,0) 14(2.05,0.5) 15(2.05,1)
  rect 0.3x0.65 smd: 6(-1,-2.05) 7(-0.5,-2.05) 8(0,-2.05) 9(0.5,-2.05) 10(1,-2.05) 16(1,2.05) 17(0.5,2.05) 18(0,2.05) 19(-0.5,2.05) 20(-1,2.05)
  rect 2.25x2.25 smd: 21(0,0)
QFN65P400X400X80-17T210
  rect 1.01x0.32 smd: 1(-1.86,0.975) 2(-1.86,0.325) 3(-1.86,-0.325) 4(-1.86,-0.975) 9(1.86,-0.975) 10(1.86,-0.325) 11(1.86,0.325) 12(1.86,0.975)
  rect 0.32x1.01 smd: 5(-0.975,-1.86) 6(-0.325,-1.86) 7(0.325,-1.86) 8(0.975,-1.86) 13(0.975,1.86) 14(0.325,1.86) 15(-0.325,1.86) 16(-0.975,1.86)
  rect 2.1x2.1 smd: 17(0,0)
QFN-16-1EP_4x4mm_P0.65mm_EP2.1x2.1mm
  rrect 0.85x0.85 smd: (-0.525,0.525) (-0.525,-0.525) (0.525,0.525) (0.525,-0.525)
  rrect 0.85x0.3 smd: 1(-1.95,0.975) 2(-1.95,0.325) 3(-1.95,-0.325) 4(-1.95,-0.975) 9(1.95,-0.975) 10(1.95,-0.325) 11(1.95,0.325) 12(1.95,0.975)
  rrect 0.3x0.85 smd: 5(-0.975,-1.95) 6(-0.325,-1.95) 7(0.325,-1.95) 8(0.975,-1.95) 13(0.975,1.95) 14(0.325,1.95) 15(-0.325,1.95) 16(-0.975,1.95)
  rect 2.1x2.1 smd: 17(0,0)
QPC1022
  rrect 0.2x0.2 smd: 1(-0.4,0.4) 2(-0.4,0) 3(-0.4,-0.4) 4(0,-0.6) 5(0.4,-0.4) 6(0.4,0) 7(0.4,0.4) 8(0,0.6)
  rrect 0.2x0.6 smd: 9(0,0)
QPQ1907SR
  rect 0.254x0.33 smd: 1(-0.495,0) 2(0,-0.286) 3(0.495,-0.286) 4(0.495,0.286) 5(0,0.286)
R_0402_1005Metric
  rrect 0.54x0.64 smd: 1(-0.51,0) 2(0.51,0)
R_0603_1608Metric
  rrect 0.8x0.95 smd: 1(-0.825,0) 2(0.825,0)
R_0805_2012Metric
  rrect 1.025x1.4 smd: 1(-0.912,0) 2(0.912,0)
R_1206_3216Metric
  rrect 1.125x1.75 smd: 1(-1.462,0) 2(1.462,0)
RF_Attenuator_Susumu_PAT1220
  rect 0.8x0.7 smd: 1(-0.75,0.6) 2(0.75,0.6)
  rect 2.3x0.7 smd: 3(0,-0.6)
SC70-6
  rect 0.4x0.75 smd: 1(-0.65,-0.925) 2(0,-0.925) 3(0.65,-0.925) 4(0.65,0.925) 5(0,0.925) 6(-0.65,0.925)
SC-70-6_MCH
  rect 0.876x0.356 smd: 1(-1.111,0.65) 2(-1.111,0) 3(-1.111,-0.65) 4(1.111,-0.65) 5(1.111,0) 6(1.111,0.65)
SC-74A-5_1.55x2.9mm_P0.95mm
  rrect 1.6x0.6 smd: 1(-1.15,0.95) 2(-1.15,0) 3(-1.15,-0.95) 4(1.15,-0.95) 5(1.15,0.95)
SOT23
  rect 0.787x0.889 smd: 1(-0.953,-1.143) 2(0.953,-1.143) 3(0,1.143)
SOT23-3
  rect 1x1.4 smd: 1(-0.95,-1.1) 2(0.95,-1.1) 3(0,1.1)
SOT23-6
  rect 0.7x1 smd: 1(-0.95,-1.3) 2(0,-1.3) 3(0.95,-1.3) 4(0.95,1.3) 5(0,1.3) 6(-0.95,1.3)
SOT23-8_TI-DCN
  rect 0.45x1.1 smd: 1(-0.975,-1.3) 2(-0.325,-1.3) 3(0.325,-1.3) 4(0.975,-1.3) 5(0.975,1.3) 6(0.325,1.3) 7(-0.325,1.3) 8(-0.975,1.3)
SOT23-BEC
  rect 1x1.4 smd: 1(-0.95,-1.1) 2(0.95,-1.1) 3(0,1.1)
SOT-23-5
  rrect 1.325x0.6 smd: 1(-1.137,0.95) 2(-1.137,0) 3(-1.137,-0.95) 4(1.137,-0.95) 5(1.137,0.95)
SOT-353_SC-70-5
  rrect 0.65x0.4 smd: 1(-0.95,0.65) 2(-0.95,0) 3(-0.95,-0.65) 4(0.95,-0.65) 5(0.95,0.65)
TestPoint-0.75mm-th
  round 1.1 hole 0.75: 1(0,0)
TestPoint_Pad_D1.0mm
  round 1 smd: 1(0,0)
TQFP-48-1EP_7x7mm_P0.5mm_EP5x5mm
  rrect 1.01x1.01 smd: (-1.875,1.875) (-1.875,0.625) (-1.875,-0.625) (-1.875,-1.875) (-0.625,1.875) (-0.625,0.625) (-0.625,-0.625) (-0.625,-1.875) (0.625,1.875) (0.625,0.625) (0.625,-0.625) (0.625,-1.875) (1.875,1.875) (1.875,0.625) (1.875,-0.625) (1.875,-1.875)
  rrect 1.475x0.3 smd: 1(-4.162,2.75) 2(-4.162,2.25) 3(-4.162,1.75) 4(-4.162,1.25) 5(-4.162,0.75) 6(-4.162,0.25) 7(-4.162,-0.25) 8(-4.162,-0.75) 9(-4.162,-1.25) 10(-4.162,-1.75) 11(-4.162,-2.25) 12(-4.162,-2.75) 25(4.162,-2.75) 26(4.162,-2.25) 27(4.162,-1.75) 28(4.162,-1.25) 29(4.162,-0.75) 30(4.162,-0.25) 31(4.162,0.25) 32(4.162,0.75) 33(4.162,1.25) 34(4.162,1.75) 35(4.162,2.25) 36(4.162,2.75)
  rrect 0.3x1.475 smd: 13(-2.75,-4.162) 14(-2.25,-4.162) 15(-1.75,-4.162) 16(-1.25,-4.162) 17(-0.75,-4.162) 18(-0.25,-4.162) 19(0.25,-4.162) 20(0.75,-4.162) 21(1.25,-4.162) 22(1.75,-4.162) 23(2.25,-4.162) 24(2.75,-4.162) 37(2.75,4.162) 38(2.25,4.162) 39(1.75,4.162) 40(1.25,4.162) 41(0.75,4.162) 42(0.25,4.162) 43(-0.25,4.162) 44(-0.75,4.162) 45(-1.25,4.162) 46(-1.75,4.162) 47(-2.25,4.162) 48(-2.75,4.162)
  rect 5x5 smd: 49(0,0)
